# KiCad board keyboard-with-fingerprint-sensor.kicad_pcb
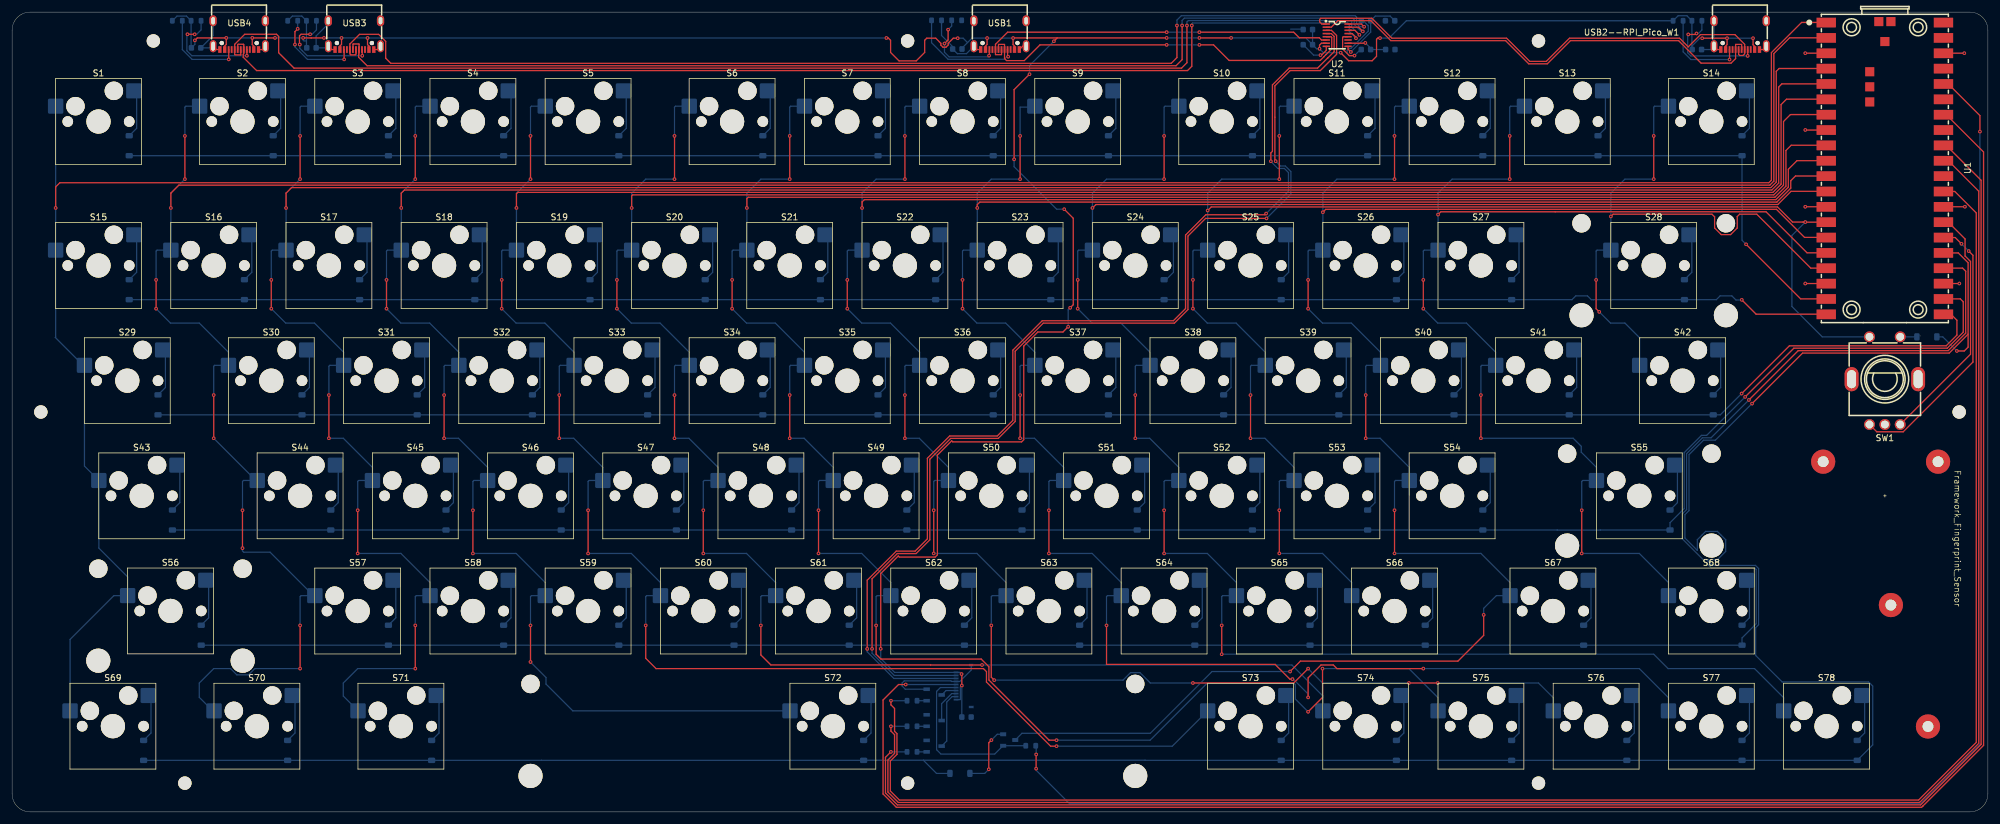
[diagram p0: board, top side]
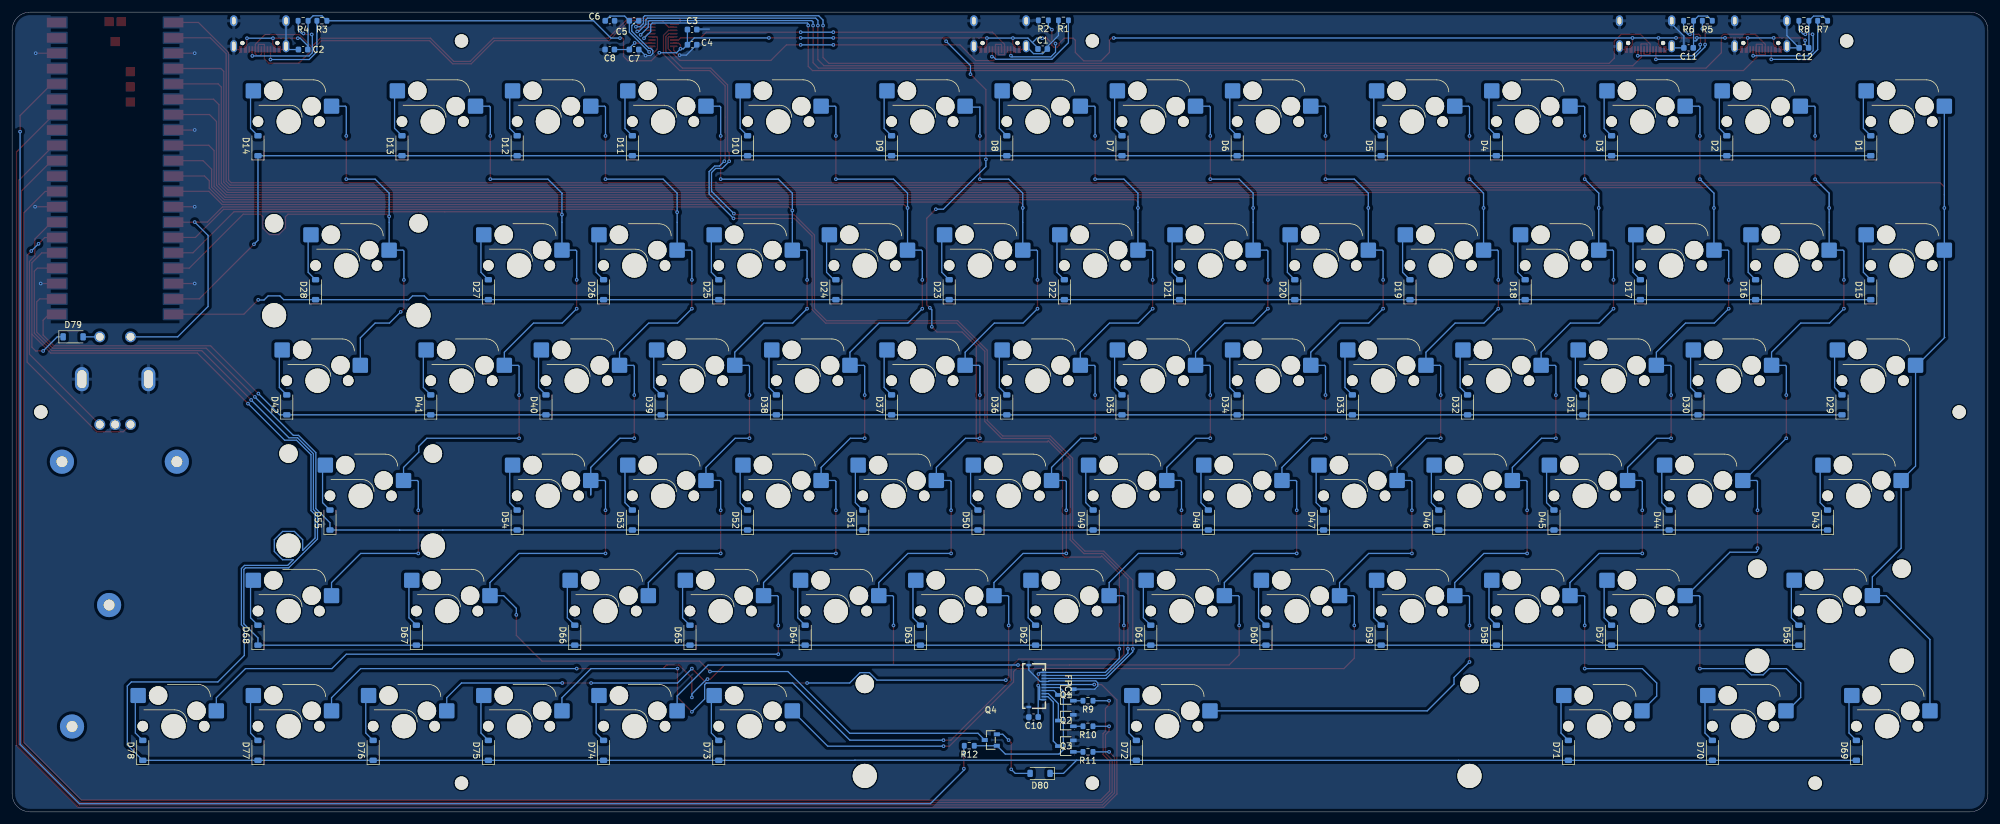
[diagram p1: board, bottom side, seen from below]

Outline 326.72 x 132.29 mm; copper layers: Top, Bottom. Coordinates in mm from the lower left corner of the outline.
Outline path: 0,129.29 arc(0.88,131.42) 3,132.29 323.72,132.29 arc(325.85,131.42) 326.72,129.29 326.72,3 arc(325.85,0.88) 323.72,0 3,0 arc(0.88,0.88) 0,3 0,129.29

## Placement (name value [footprint] x y rotation side)
C1  1uF  [C_0603_1608Metric]  156.31 126.19 180 bottom
C2  1uF  [C_0603_1608Metric]  278.6 126.1 0 bottom
C3  1uF  [C_0603_1608Metric]  214.28 129.41 180 bottom
C4  100nF  [C_0603_1608Metric]  214.28 126.9 180 bottom
C5  1uF  [C_0603_1608Metric]  223.88 130.86 180 bottom
C6  100nF  [C_0603_1608Metric]  227.87 130.86 180 bottom
C7  1uF  [C_0603_1608Metric]  223.88 126.1 180 bottom
C8  100nF  [C_0603_1608Metric]  227.9 126.1 0 bottom
C10  1uF  [C_0603_1608Metric]  157.82 15.69 0 bottom
C11  1uF  [C_0603_1608Metric]  49.5 126.38 0 bottom
C12  1uF  [C_0603_1608Metric]  30.42 126.38 0 bottom
D1  ~  [D_SOD-123]  19.37 110.19 90 bottom
D2  ~  [D_SOD-123]  43.18 110.19 90 bottom
D3  ~  [D_SOD-123]  62.23 110.19 90 bottom
D4  ~  [D_SOD-123]  81.28 110.19 90 bottom
D5  ~  [D_SOD-123]  100.33 110.19 90 bottom
D6  ~  [D_SOD-123]  124.14 110.19 90 bottom
D7  ~  [D_SOD-123]  143.19 110.19 90 bottom
D8  ~  [D_SOD-123]  162.24 110.19 90 bottom
D9  ~  [D_SOD-123]  181.29 110.19 90 bottom
D10  ~  [D_SOD-123]  205.1 110.19 90 bottom
D11  ~  [D_SOD-123]  224.16 110.19 90 bottom
D12  ~  [D_SOD-123]  243.21 110.19 90 bottom
D13  ~  [D_SOD-123]  262.25 110.19 90 bottom
D14  ~  [D_SOD-123]  286.07 110.19 90 bottom
D15  ~  [D_SOD-123]  19.37 86.38 90 bottom
D16  ~  [D_SOD-123]  38.42 86.38 90 bottom
D17  ~  [D_SOD-123]  57.47 86.38 90 bottom
D18  ~  [D_SOD-123]  76.52 86.38 90 bottom
D19  ~  [D_SOD-123]  95.57 86.38 90 bottom
D20  ~  [D_SOD-123]  114.62 86.38 90 bottom
D21  ~  [D_SOD-123]  133.67 86.38 90 bottom
D22  ~  [D_SOD-123]  152.72 86.38 90 bottom
D23  ~  [D_SOD-123]  171.77 86.38 90 bottom
D24  ~  [D_SOD-123]  190.5 86.38 90 bottom
D25  ~  [D_SOD-123]  209.87 86.38 90 bottom
D26  ~  [D_SOD-123]  228.92 86.38 90 bottom
D27  ~  [D_SOD-123]  247.97 86.38 90 bottom
D28  ~  [D_SOD-123]  276.54 86.38 90 bottom
D29  ~  [D_SOD-123]  24.13 67.33 90 bottom
D30  ~  [D_SOD-123]  47.94 67.33 90 bottom
D31  ~  [D_SOD-123]  66.99 67.33 90 bottom
D32  ~  [D_SOD-123]  86.04 67.33 90 bottom
D33  ~  [D_SOD-123]  105.09 67.33 90 bottom
D34  ~  [D_SOD-123]  124.14 67.33 90 bottom
D35  ~  [D_SOD-123]  143.19 67.33 90 bottom
D36  ~  [D_SOD-123]  162.24 67.33 90 bottom
D37  ~  [D_SOD-123]  181.29 67.33 90 bottom
D38  ~  [D_SOD-123]  200.34 67.33 90 bottom
D39  ~  [D_SOD-123]  219.39 67.33 90 bottom
D40  ~  [D_SOD-123]  238.44 67.33 90 bottom
D41  ~  [D_SOD-123]  257.49 67.33 90 bottom
D42  ~  [D_SOD-123]  281.3 67.33 90 bottom
D43  ~  [D_SOD-123]  26.51 48.28 90 bottom
D44  ~  [D_SOD-123]  52.7 48.28 90 bottom
D45  ~  [D_SOD-123]  71.75 48.28 90 bottom
D46  ~  [D_SOD-123]  90.81 48.28 90 bottom
D47  ~  [D_SOD-123]  109.86 48.28 90 bottom
D48  ~  [D_SOD-123]  128.91 48.28 90 bottom
D49  ~  [D_SOD-123]  147.96 48.28 90 bottom
D50  ~  [D_SOD-123]  167 48.28 90 bottom
D51  ~  [D_SOD-123]  186.06 48.28 90 bottom
D52  ~  [D_SOD-123]  205.1 48.28 90 bottom
D53  ~  [D_SOD-123]  224.16 48.28 90 bottom
D54  ~  [D_SOD-123]  243.21 48.28 90 bottom
D55  ~  [D_SOD-123]  274.16 48.28 90 bottom
D56  ~  [D_SOD-123]  31.27 29.23 90 bottom
D57  ~  [D_SOD-123]  62.23 29.23 90 bottom
D58  ~  [D_SOD-123]  81.28 29.23 90 bottom
D59  ~  [D_SOD-123]  100.33 29.23 90 bottom
D60  ~  [D_SOD-123]  119.38 29.23 90 bottom
D61  ~  [D_SOD-123]  138.43 29.23 90 bottom
D62  ~  [D_SOD-123]  157.48 29.23 90 bottom
D63  ~  [D_SOD-123]  176.53 29.23 90 bottom
D64  ~  [D_SOD-123]  195.58 29.23 90 bottom
D65  ~  [D_SOD-123]  214.63 29.23 90 bottom
D66  ~  [D_SOD-123]  233.68 29.23 90 bottom
D67  ~  [D_SOD-123]  259.87 29.23 90 bottom
D68  ~  [D_SOD-123]  286.07 29.23 90 bottom
D69  ~  [D_SOD-123]  21.75 10.18 90 bottom
D70  ~  [D_SOD-123]  45.56 10.18 90 bottom
D71  ~  [D_SOD-123]  69.37 10.18 90 bottom
D72  ~  [D_SOD-123]  140.81 10.18 90 bottom
D73  ~  [D_SOD-123]  209.87 10.18 90 bottom
D74  ~  [D_SOD-123]  228.92 10.18 90 bottom
D75  ~  [D_SOD-123]  247.97 10.18 90 bottom
D76  ~  [D_SOD-123]  267.02 10.18 90 bottom
D77  ~  [D_SOD-123]  286.07 10.18 90 bottom
D78  ~  [D_SOD-123]  305.12 10.18 90 bottom
D79  ~  [D_SOD-123]  316.63 78.58 180 bottom
D80  ~  [D_SOD-123]  156.74 6.37 0 bottom
FPC1  046809610110846+  [CONN-SMD_10P-P0.50_046809610110846]  157.36 20.82 270 bottom
Framework_Fingerprint_Sensor  Untitled  [Framework Fingerprint Sensor]  314.16 45.23 90 top
Q1  MMBT3904LT1G  [SOT-23-3_L2.9-W1.6-P1.90-LS2.8-BR]  152.48 19.34 180 bottom
Q2  MMBT3904LT1G  [SOT-23-3_L2.9-W1.6-P1.90-LS2.8-BR]  152.48 15.11 180 bottom
Q3  MMBT3904LT1G  [SOT-23-3_L2.9-W1.6-P1.90-LS2.8-BR]  152.48 10.88 180 bottom
Q4  MMBT3906LT1G  [SOT-23-3_L2.9-W1.3-P1.90-LS2.4-BR]  164.89 11.89 180 bottom
R1  5.1k  [R_0603_1608Metric]  152.87 130.93 0 bottom
R2  5.1k  [R_0603_1608Metric]  156.19 130.93 0 bottom
R3  5.1k  [R_0603_1608Metric]  275.49 130.86 0 bottom
R4  5.1k  [R_0603_1608Metric]  278.61 130.86 0 bottom
R5  5.1k  [R_0603_1608Metric]  46.4 130.86 0 bottom
R6  5.1k  [R_0603_1608Metric]  49.5 130.86 0 bottom
R7  5.1k  [R_0603_1608Metric]  27.32 130.86 0 bottom
R8  5.1k  [R_0603_1608Metric]  30.42 130.86 0 bottom
R9  1k  [R_0603_1608Metric]  148.82 18.39 0 bottom
R10  1k  [R_0603_1608Metric]  148.82 14.16 0 bottom
R11  1k  [R_0603_1608Metric]  148.82 9.93 0 bottom
R12  10k  [R_0603_1608Metric]  168.45 10.94 0 bottom
REF**  -  [MountingHole_2.2mm_M2]  148.09 4.76 0 top
REF**#2  -  [MountingHole_2.2mm_M2]  148.09 127.52 0 top
REF**#3  -  [MountingHole_2.2mm_M2]  252.41 127.52 0 top
REF**#4  -  [Stabilizer_Cherry_MX_2.00u]  271.46 90.38 0 top
REF**#5  -  [MountingHole_2.2mm_M2]  23.36 127.52 0 top
REF**#6  -  [MountingHole_2.2mm_M2]  321.97 66.15 0 top
REF**#7  -  [Stabilizer_Cherry_MX_2.00u]  269.08 52.28 0 top
REF**#8  -  [MountingHole_2.2mm_M2]  252.41 4.76 0 top
REF**#9  -  [MountingHole_2.2mm_M2]  28.57 4.76 0 top
REF**#10  -  [Stabilizer_Cherry_MX_2.00u]  26.19 33.24 0 top
REF**#11  -  [MountingHole_2.2mm_M2]  4.76 66.15 0 top
REF**#12  -  [Stabilizer_Cherry_MX_6.25u]  135.73 14.18 0 top
S1  ~  [SW_Hotswap_Kailh_MX_1.00u]  14.29 114.19 0 top
S2  ~  [SW_Hotswap_Kailh_MX_1.00u]  38.1 114.19 0 top
S3  ~  [SW_Hotswap_Kailh_MX_1.00u]  57.15 114.19 0 top
S4  ~  [SW_Hotswap_Kailh_MX_1.00u]  76.2 114.19 0 top
S5  ~  [SW_Hotswap_Kailh_MX_1.00u]  95.25 114.19 0 top
S6  ~  [SW_Hotswap_Kailh_MX_1.00u]  119.06 114.19 0 top
S7  ~  [SW_Hotswap_Kailh_MX_1.00u]  138.11 114.19 0 top
S8  ~  [SW_Hotswap_Kailh_MX_1.00u]  157.16 114.19 0 top
S9  ~  [SW_Hotswap_Kailh_MX_1.00u]  176.21 114.19 0 top
S10  ~  [SW_Hotswap_Kailh_MX_1.00u]  200.03 114.19 0 top
S11  ~  [SW_Hotswap_Kailh_MX_1.00u]  219.07 114.19 0 top
S12  ~  [SW_Hotswap_Kailh_MX_1.00u]  238.12 114.19 0 top
S13  ~  [SW_Hotswap_Kailh_MX_1.00u]  257.18 114.19 0 top
S14  ~  [SW_Hotswap_Kailh_MX_1.00u]  280.99 114.19 0 top
S15  ~  [SW_Hotswap_Kailh_MX_1.00u]  14.29 90.38 0 top
S16  ~  [SW_Hotswap_Kailh_MX_1.00u]  33.34 90.38 0 top
S17  ~  [SW_Hotswap_Kailh_MX_1.00u]  52.39 90.38 0 top
S18  ~  [SW_Hotswap_Kailh_MX_1.00u]  71.44 90.38 0 top
S19  ~  [SW_Hotswap_Kailh_MX_1.00u]  90.49 90.38 0 top
S20  ~  [SW_Hotswap_Kailh_MX_1.00u]  109.54 90.38 0 top
S21  ~  [SW_Hotswap_Kailh_MX_1.00u]  128.59 90.38 0 top
S22  ~  [SW_Hotswap_Kailh_MX_1.00u]  147.64 90.38 0 top
S23  ~  [SW_Hotswap_Kailh_MX_1.00u]  166.69 90.38 0 top
S24  ~  [SW_Hotswap_Kailh_MX_1.00u]  185.74 90.38 0 top
S25  ~  [SW_Hotswap_Kailh_MX_1.00u]  204.79 90.38 0 top
S26  ~  [SW_Hotswap_Kailh_MX_1.00u]  223.84 90.38 0 top
S27  ~  [SW_Hotswap_Kailh_MX_1.00u]  242.89 90.38 0 top
S28  ~  [SW_Hotswap_Kailh_MX_2.00u]  271.46 90.38 0 top
S29  ~  [SW_Hotswap_Kailh_MX_1.50u]  19.05 71.33 0 top
S30  ~  [SW_Hotswap_Kailh_MX_1.00u]  42.86 71.33 0 top
S31  ~  [SW_Hotswap_Kailh_MX_1.00u]  61.91 71.33 0 top
S32  ~  [SW_Hotswap_Kailh_MX_1.00u]  80.96 71.33 0 top
S33  ~  [SW_Hotswap_Kailh_MX_1.00u]  100.01 71.33 0 top
S34  ~  [SW_Hotswap_Kailh_MX_1.00u]  119.06 71.33 0 top
S35  ~  [SW_Hotswap_Kailh_MX_1.00u]  138.11 71.33 0 top
S36  ~  [SW_Hotswap_Kailh_MX_1.00u]  157.16 71.33 0 top
S37  ~  [SW_Hotswap_Kailh_MX_1.00u]  176.21 71.33 0 top
S38  ~  [SW_Hotswap_Kailh_MX_1.00u]  195.26 71.33 0 top
S39  ~  [SW_Hotswap_Kailh_MX_1.00u]  214.31 71.33 0 top
S40  ~  [SW_Hotswap_Kailh_MX_1.00u]  233.36 71.33 0 top
S41  ~  [SW_Hotswap_Kailh_MX_1.00u]  252.41 71.33 0 top
S42  ~  [SW_Hotswap_Kailh_MX_1.50u]  276.22 71.33 0 top
S43  ~  [SW_Hotswap_Kailh_MX_1.75u]  21.43 52.28 0 top
S44  ~  [SW_Hotswap_Kailh_MX_1.00u]  47.62 52.28 0 top
S45  ~  [SW_Hotswap_Kailh_MX_1.00u]  66.67 52.28 0 top
S46  ~  [SW_Hotswap_Kailh_MX_1.00u]  85.72 52.28 0 top
S47  ~  [SW_Hotswap_Kailh_MX_1.00u]  104.78 52.28 0 top
S48  ~  [SW_Hotswap_Kailh_MX_1.00u]  123.83 52.28 0 top
S49  ~  [SW_Hotswap_Kailh_MX_1.00u]  142.88 52.28 0 top
S50  ~  [SW_Hotswap_Kailh_MX_1.00u]  161.93 52.28 0 top
S51  ~  [SW_Hotswap_Kailh_MX_1.00u]  180.97 52.28 0 top
S52  ~  [SW_Hotswap_Kailh_MX_1.00u]  200.03 52.28 0 top
S53  ~  [SW_Hotswap_Kailh_MX_1.00u]  219.07 52.28 0 top
S54  ~  [SW_Hotswap_Kailh_MX_1.00u]  238.12 52.28 0 top
S55  ~  [SW_Hotswap_Kailh_MX_2.25u]  269.08 52.28 0 top
S56  ~  [SW_Hotswap_Kailh_MX_2.25u]  26.19 33.24 0 top
S57  ~  [SW_Hotswap_Kailh_MX_1.00u]  57.15 33.23 0 top
S58  ~  [SW_Hotswap_Kailh_MX_1.00u]  76.2 33.23 0 top
S59  ~  [SW_Hotswap_Kailh_MX_1.00u]  95.25 33.23 0 top
S60  ~  [SW_Hotswap_Kailh_MX_1.00u]  114.3 33.23 0 top
S61  ~  [SW_Hotswap_Kailh_MX_1.00u]  133.35 33.23 0 top
S62  ~  [SW_Hotswap_Kailh_MX_1.00u]  152.4 33.23 0 top
S63  ~  [SW_Hotswap_Kailh_MX_1.00u]  171.45 33.23 0 top
S64  ~  [SW_Hotswap_Kailh_MX_1.00u]  190.5 33.23 0 top
S65  ~  [SW_Hotswap_Kailh_MX_1.00u]  209.55 33.23 0 top
S66  ~  [SW_Hotswap_Kailh_MX_1.00u]  228.6 33.23 0 top
S67  ~  [SW_Hotswap_Kailh_MX_1.75u]  254.79 33.23 0 top
S68  ~  [SW_Hotswap_Kailh_MX_1.00u]  280.99 33.23 0 top
S69  ~  [SW_Hotswap_Kailh_MX_1.25u]  16.67 14.18 0 top
S70  ~  [SW_Hotswap_Kailh_MX_1.25u]  40.48 14.18 0 top
S71  ~  [SW_Hotswap_Kailh_MX_1.25u]  64.29 14.18 0 top
S72  ~  [SW_Hotswap_Kailh_MX_6.25u]  135.73 14.18 0 top
S73  ~  [SW_Hotswap_Kailh_MX_1.00u]  204.79 14.18 0 top
S74  ~  [SW_Hotswap_Kailh_MX_1.00u]  223.84 14.18 0 top
S75  ~  [SW_Hotswap_Kailh_MX_1.00u]  242.89 14.18 0 top
S76  ~  [SW_Hotswap_Kailh_MX_1.00u]  261.94 14.18 0 top
S77  ~  [SW_Hotswap_Kailh_MX_1.00u]  280.99 14.18 0 top
S78  ~  [SW_Hotswap_Kailh_MX_1.00u]  300.04 14.18 0 top
SW1  EC11E15244G1  [SW-TH_EC11E15244G1]  309.68 71.33 0 top
U1  RASPBERRY PI PICO 2W  [COMM-SMD_L51.0-W21.0-P2.54_PICOW]  309.68 106.51 270 top
U2  SL2.1S  [SSOP-16_L4.6-W2.6-P0.53-LS4.0-BL]  219.12 128.48 270 top
USB1  TYPE-C 16PIN 2MD  [USB-C-SMD_TYPE-C-6PIN-2MD-073]  163.36 128.48 180 top
USB2--RPI_Pico_W1  TYPE-C 16PIN 2MD  [USB-C-SMD_TYPE-C-6PIN-2MD-073]  285.75 128.48 180 top
USB3  TYPE-C 16PIN 2MD  [USB-C-SMD_TYPE-C-6PIN-2MD-073]  56.61 128.48 180 top
USB4  TYPE-C 16PIN 2MD  [USB-C-SMD_TYPE-C-6PIN-2MD-073]  37.56 128.48 180 top

## Library data of the parts
C1-C8 C10-C12 = -: Description: Unpolarized capacitor; KiLib_Generator: SMD_2terminal_chip_molded; ki_fp_filters: C_*
D1-D80 = -: ki_fp_filters: D*DO?35*
FPC1 = -: Datasheet: https://www.lcsc.com/datasheet/C5464531.pdf; LCSC Part: C5464531; Manufacturer: Kyocera AVX
Q1-Q3 = -: Datasheet: https://lcsc.com/product-detail/Transistors-NPN-PNP_ON_MMBT3904LT1G_MMBT3904LT1G_C81464.html; LCSC Part: C81464; Manufacturer: onsemi(安森美)
Q4 = -: Datasheet: https://lcsc.com/product-detail/Transistors-NPN-PNP_ON_MMBT3906LT1G_MMBT3906LT1G_C53444.html; LCSC Part: C53444; Manufacturer: onsemi(安森美)
R1-R12 = -: Description: Resistor; KiLib_Generator: SMD_2terminal_chip_molded; ki_fp_filters: R_*
REF** REF**#2 REF**#3 REF**#5 REF**#6 REF**#8 REF**#9 REF**#11 = -: KiLib_Generator: mounting_hardware/mounting_hole
SW1 = -: Datasheet: https://lcsc.com/product-detail/Others_ALPS-Electric-EC11E15244G1_C370970.html; LCSC Part: C370970; Manufacturer: ALPSALPINE(阿尔卑斯阿尔派)
U1 = -: Datasheet: https://www.lcsc.com/datasheet/C42394205.pdf; LCSC Part: C42394205; Manufacturer: Raspberry Pi(树莓派); MPN: Raspberry Pi Pico 2W
U2 = -: Datasheet: https://www.lcsc.com/datasheet/C2684433.pdf; LCSC Part: C2684433; Manufacturer: CoreChips(和芯润德); MPN: SL2.1s
USB1 USB2--RPI_Pico_W1 USB3 USB4 = -: Datasheet: https://www.lcsc.com/datasheet/C2765186.pdf; LCSC Part: C2765186; Manufacturer: SHOU HAN(首韩); MPN: TYPE-C 16PIN 2MD(073)

## Footprints (pads in the part's own frame, mm; a bottom-side part is the same pattern mirrored in y, then rotated)
C_0603_1608Metric
  rrect 0.9x0.95 smd: 1(-0.775,0) 2(0.775,0)
COMM-SMD_L51.0-W21.0-P2.54_PICOW
  rect 1.6x3.2 smd: 1(-24.05,-9.69) 2(-21.51,-9.69) 3(-18.97,-9.69) 4(-16.43,-9.69) 5(-13.89,-9.69) 6(-11.35,-9.69) 7(-8.81,-9.69) 8(-6.27,-9.69) 9(-3.73,-9.69) 10(-1.19,-9.69) 11(1.35,-9.69) 12(3.89,-9.69) 13(6.43,-9.69) 14(8.97,-9.69) 15(11.51,-9.69) 16(14.05,-9.69) 17(16.59,-9.69) 18(19.13,-9.69) 19(21.67,-9.69) 20(24.21,-9.69) 21(24.21,9.69) 22(21.67,9.69) 23(19.13,9.69) 24(16.59,9.69) 25(14.05,9.69) 26(11.51,9.69) 27(8.97,9.69) 28(6.43,9.69) 29(3.89,9.69) 30(1.35,9.69) 31(-1.19,9.69) 32(-3.73,9.69) 33(-6.27,9.69) 34(-8.81,9.69) 35(-11.35,9.69) 36(-13.89,9.69) 37(-16.43,9.69) 38(-18.97,9.69) 39(-21.51,9.69) 40(-24.05,9.69)
  rect 1.5x1.5 smd: TP1(-20.91,0) TP2(-24.21,1) TP3(-24.21,-1) TP4(-15.92,-2.5) TP5(-13.42,-2.5) TP6(-10.92,-2.5)
CONN-SMD_10P-P0.50_046809610110846
  rect 0.3x0.8 smd: 1(-2.25,1.25) 2(-1.75,1.25) 3(-1.25,1.25) 4(-0.75,1.25) 5(-0.25,1.25) 6(0.25,1.25) 7(0.75,1.25) 8(1.25,1.25) 9(1.75,1.25) 10(2.25,1.25)
  rect 0.4x0.8 smd: 11(-3.47,-1.25) 12(3.47,-1.25)
D_SOD-123
  rrect 0.9x1.2 smd: 1(-1.65,0) 2(1.65,0)
Framework Fingerprint Sensor
  round 4 hole 1.8 unplated: (-31.1,-2.65) (-11.01,3.48) (12.7,14.68) (12.7,-4.32)
MountingHole_2.2mm_M2
  round 2.2 hole 2.2 unplated: (0,0)
R_0603_1608Metric
  rrect 0.8x0.95 smd: 1(-0.825,0) 2(0.825,0)
SOT-23-3_L2.9-W1.3-P1.90-LS2.4-BR
  rect 1x0.65 smd: 1(1,-0.95) 2(1,0.95) 3(-1,0)
SOT-23-3_L2.9-W1.6-P1.90-LS2.8-BR
  rect 1.07x0.6 smd: 1(1.24,-0.95) 2(1.24,0.95) 3(-1.24,0)
SSOP-16_L4.6-W2.6-P0.53-LS4.0-BL
  rect 0.25x1.2 smd: 1(-1.85,-1.8) 2(-1.32,-1.8) 3(-0.8,-1.8) 4(-0.26,-1.8) 5(0.26,-1.8) 6(0.8,-1.8) 7(1.33,-1.8) 8(1.85,-1.8) 9(1.85,1.8) 10(1.33,1.8) 11(0.8,1.8) 12(0.26,1.8) 13(-0.26,1.8) 14(-0.8,1.8) 15(-1.32,1.8) 16(-1.85,1.8)
Stabilizer_Cherry_MX_2.00u
  round 3.048 hole 3.048 unplated: (-11.938,6.985) (11.938,6.985)
  round 3.988 hole 3.988 unplated: (-11.938,-8.225) (11.938,-8.225)
Stabilizer_Cherry_MX_6.25u
  round 3.048 hole 3.048 unplated: (-50,6.985) (50,6.985)
  round 3.988 hole 3.988 unplated: (-50,-8.225) (50,-8.225)
SW-TH_EC11E15244G1
  oval 2.3x4 hole 1.5x3: 6(5.5,0.25) 7(-5.5,0.25)
  round 1.8 hole 1.3: A(-2.54,-7.25) B(2.54,-7.25) C(0,-7.25) D(-2.54,7.25) E(2.54,7.25)
SW_Hotswap_Kailh_MX_1.00u
  round 1.75 hole 1.75 unplated: (-5.08,0) (5.08,0)
  round 3.05 hole 3.05 unplated: (-3.81,2.54) (2.54,5.08)
  round 4 hole 4 unplated: (0,0)
  rrect 2.55x2.5 smd far side: 1(-7.085,2.54) 2(5.842,5.08)
SW_Hotswap_Kailh_MX_1.25u
  round 1.75 hole 1.75 unplated: (-5.08,0) (5.08,0)
  round 3.05 hole 3.05 unplated: (-3.81,2.54) (2.54,5.08)
  round 4 hole 4 unplated: (0,0)
  rrect 2.55x2.5 smd far side: 1(-7.085,2.54) 2(5.842,5.08)
SW_Hotswap_Kailh_MX_1.50u
  round 1.75 hole 1.75 unplated: (-5.08,0) (5.08,0)
  round 3.05 hole 3.05 unplated: (-3.81,2.54) (2.54,5.08)
  round 4 hole 4 unplated: (0,0)
  rrect 2.55x2.5 smd far side: 1(-7.085,2.54) 2(5.842,5.08)
SW_Hotswap_Kailh_MX_1.75u
  round 1.75 hole 1.75 unplated: (-5.08,0) (5.08,0)
  round 3.05 hole 3.05 unplated: (-3.81,2.54) (2.54,5.08)
  round 4 hole 4 unplated: (0,0)
  rrect 2.55x2.5 smd far side: 1(-7.085,2.54) 2(5.842,5.08)
SW_Hotswap_Kailh_MX_2.00u
  round 1.75 hole 1.75 unplated: (-5.08,0) (5.08,0)
  round 3.05 hole 3.05 unplated: (-3.81,2.54) (2.54,5.08)
  round 4 hole 4 unplated: (0,0)
  rrect 2.55x2.5 smd far side: 1(-7.085,2.54) 2(5.842,5.08)
SW_Hotswap_Kailh_MX_2.25u
  round 1.75 hole 1.75 unplated: (-5.08,0) (5.08,0)
  round 3.05 hole 3.05 unplated: (-3.81,2.54) (2.54,5.08)
  round 4 hole 4 unplated: (0,0)
  rrect 2.55x2.5 smd far side: 1(-7.085,2.54) 2(5.842,5.08)
SW_Hotswap_Kailh_MX_6.25u
  round 1.75 hole 1.75 unplated: (-5.08,0) (5.08,0)
  round 3.05 hole 3.05 unplated: (-3.81,2.54) (2.54,5.08)
  round 4 hole 4 unplated: (0,0)
  rrect 2.55x2.5 smd far side: 1(-7.085,2.54) 2(5.842,5.08)
USB-C-SMD_TYPE-C-6PIN-2MD-073
  round 0.7 hole 0.7: (-2.89,1.3) (2.89,1.3)
  rect 0.55x1.1 smd: 1(-3.2,2.38) 2(-2.4,2.38) 11(2.4,2.38) 12(3.2,2.38)
  rect 0.3x1.1 smd: 3(-1.75,2.38) 4(-1.25,2.38) 5(-0.75,2.38) 6(-0.25,2.38) 7(0.25,2.38) 8(0.75,2.38) 9(1.25,2.38) 10(1.75,2.38)
  oval 1.1x2 hole 0.6x1.5: 13(-4.32,1.83) 14(4.32,1.83)
  oval 1.2x1.8 hole 0.6x1.2: 13(-4.32,-2.38) 14(4.32,-2.38)

## Nets
+3.3V: R12.2 U1.36
+5V: C1.1 C2.1 C3.1 C4.1 C10.1 C11.1 C12.1 FPC1.1 FPC1.10 R3.1 R4.1 R5.1 R6.1 R7.1 R8.1 U2.7 USB1.2 USB1.11 USB2--RPI_Pico_W1.2 USB2--RPI_Pico_W1.11 USB3.2 USB3.11 USB4.2 USB4.11
GND: C1.2 C2.2 C3.2 C4.2 C5.2 C6.2 C7.2 C8.2 C10.2 C11.2 C12.2 FPC1.4 FPC1.11 FPC1.12 Q1.2 Q2.2 Q3.2 R1.2 R2.2 SW1.6 SW1.7 SW1.C U1.3 U1.8 U1.13 U1.18 U1.23 U1.28 U1.38 U2.8 U2.12 USB1.1 USB1.12 USB1.13 USB1.14 USB2--RPI_Pico_W1.1 USB2--RPI_Pico_W1.12 USB2--RPI_Pico_W1.13 USB2--RPI_Pico_W1.14 USB3.1 USB3.12 USB3.13 USB3.14 USB4.1 USB4.12 USB4.13 USB4.14
/DN: U2.5 USB1.5 USB1.7
/DN1: FPC1.2 U2.3
/DN2: U2.1 USB2--RPI_Pico_W1.5 USB2--RPI_Pico_W1.7
/DN3: U2.15 USB3.5 USB3.7
/DN4: U2.13 USB4.5 USB4.7
/DP: U2.6 USB1.6 USB1.8
/DP1: FPC1.3 U2.4
/DP2: U2.2 USB2--RPI_Pico_W1.6 USB2--RPI_Pico_W1.8
/DP3: U2.16 USB3.6 USB3.8
/DP4: U2.14 USB4.6 USB4.8
Column 1: S1.1 S15.1 S29.1 S43.1 S56.1 S69.1 U1.1
Column 2: S2.1 S16.1 S30.1 S44.1 S57.1 S70.1 U1.2
Column 3: S3.1 S17.1 S31.1 S45.1 S58.1 S71.1 U1.4
Column 4: S4.1 S18.1 S32.1 S46.1 S59.1 S72.1 U1.5
Column 5: S5.1 S19.1 S33.1 S47.1 S60.1 S73.1 U1.6
Column 6: S6.1 S20.1 S34.1 S48.1 S61.1 S74.1 U1.7
Column 7: S7.1 S21.1 S35.1 S49.1 S62.1 S75.1 U1.9
Column 8: S8.1 S22.1 S36.1 S50.1 S63.1 S76.1 U1.10
Column 9: S9.1 S23.1 S37.1 S51.1 S64.1 S77.1 U1.11
Column 10: S10.1 S24.1 S38.1 S52.1 S65.1 S78.1 U1.12
Column 11: S11.1 S25.1 S39.1 S53.1 S66.1 SW1.D U1.14
Column 12: Q4.3 S12.1 S26.1 S40.1 S54.1 S67.1 U1.15
Column 13: S13.1 S27.1 S41.1 S55.1 S68.1 U1.16
Column 14: S14.1 S28.1 S42.1 U1.17
Fprint LED Green MCU: R10.1 U1.31
Fprint LED Red MCU: R11.1 U1.32
Fprint LED White MCU: R9.1 U1.29
Fprint Switch: FPC1.6 Q4.1 R12.1
Fprint Switch Row: D80.2 Q4.2
Fprint Touch: FPC1.5 U1.34
K_O: D79.2 SW1.E
Knob_A: SW1.A U1.26
Knob_B: SW1.B U1.27
LED Green: FPC1.8 Q2.3
LED Red: FPC1.9 Q3.3
LED White: FPC1.7 Q1.3
Row 1: D1.1 D2.1 D3.1 D4.1 D5.1 D6.1 D7.1 D8.1 D9.1 D10.1 D11.1 D12.1 D13.1 D14.1 U1.19
Row 2: D15.1 D16.1 D17.1 D18.1 D19.1 D20.1 D21.1 D22.1 D23.1 D24.1 D25.1 D26.1 D27.1 D28.1 U1.20
Row 3: D29.1 D30.1 D31.1 D32.1 D33.1 D34.1 D35.1 D36.1 D37.1 D38.1 D39.1 D40.1 D41.1 D42.1 U1.21
Row 4: D43.1 D44.1 D45.1 D46.1 D47.1 D48.1 D49.1 D50.1 D51.1 D52.1 D53.1 D54.1 D55.1 U1.22
Row 5: D56.1 D57.1 D58.1 D59.1 D60.1 D61.1 D62.1 D63.1 D64.1 D65.1 D66.1 D67.1 D68.1 U1.24
Row 6: D69.1 D70.1 D71.1 D72.1 D73.1 D74.1 D75.1 D76.1 D77.1 D78.1 D79.1 D80.1 U1.25
Net-(D1-A): D1.2 S1.2
Net-(D2-A): D2.2 S2.2
Net-(D3-A): D3.2 S3.2
Net-(D4-A): D4.2 S4.2
Net-(D5-A): D5.2 S5.2
Net-(D6-A): D6.2 S6.2
Net-(D7-A): D7.2 S7.2
Net-(D8-A): D8.2 S8.2
Net-(D9-A): D9.2 S9.2
Net-(D10-A): D10.2 S10.2
Net-(D11-A): D11.2 S11.2
Net-(D12-A): D12.2 S12.2
Net-(D13-A): D13.2 S13.2
Net-(D14-A): D14.2 S14.2
Net-(D15-A): D15.2 S15.2
Net-(D16-A): D16.2 S16.2
Net-(D17-A): D17.2 S17.2
Net-(D18-A): D18.2 S18.2
Net-(D19-A): D19.2 S19.2
Net-(D20-A): D20.2 S20.2
Net-(D21-A): D21.2 S21.2
Net-(D22-A): D22.2 S22.2
Net-(D23-A): D23.2 S23.2
Net-(D24-A): D24.2 S24.2
Net-(D25-A): D25.2 S25.2
Net-(D26-A): D26.2 S26.2
Net-(D27-A): D27.2 S27.2
Net-(D28-A): D28.2 S28.2
Net-(D29-A): D29.2 S29.2
Net-(D30-A): D30.2 S30.2
Net-(D31-A): D31.2 S31.2
Net-(D32-A): D32.2 S32.2
Net-(D33-A): D33.2 S33.2
Net-(D34-A): D34.2 S34.2
Net-(D35-A): D35.2 S35.2
Net-(D36-A): D36.2 S36.2
Net-(D37-A): D37.2 S37.2
Net-(D38-A): D38.2 S38.2
Net-(D39-A): D39.2 S39.2
Net-(D40-A): D40.2 S40.2
Net-(D41-A): D41.2 S41.2
Net-(D42-A): D42.2 S42.2
Net-(D43-A): D43.2 S43.2
Net-(D44-A): D44.2 S44.2
Net-(D45-A): D45.2 S45.2
Net-(D46-A): D46.2 S46.2
Net-(D47-A): D47.2 S47.2
Net-(D48-A): D48.2 S48.2
Net-(D49-A): D49.2 S49.2
Net-(D50-A): D50.2 S50.2
Net-(D51-A): D51.2 S51.2
Net-(D52-A): D52.2 S52.2
Net-(D53-A): D53.2 S53.2
Net-(D54-A): D54.2 S54.2
Net-(D55-A): D55.2 S55.2
Net-(D56-A): D56.2 S56.2
Net-(D57-A): D57.2 S57.2
Net-(D58-A): D58.2 S58.2
Net-(D59-A): D59.2 S59.2
Net-(D60-A): D60.2 S60.2
Net-(D61-A): D61.2 S61.2
Net-(D62-A): D62.2 S62.2
Net-(D63-A): D63.2 S63.2
Net-(D64-A): D64.2 S64.2
Net-(D65-A): D65.2 S65.2
Net-(D66-A): D66.2 S66.2
Net-(D67-A): D67.2 S67.2
Net-(D68-A): D68.2 S68.2
Net-(D69-A): D69.2 S69.2
Net-(D70-A): D70.2 S70.2
Net-(D71-A): D71.2 S71.2
Net-(D72-A): D72.2 S72.2
Net-(D73-A): D73.2 S73.2
Net-(D74-A): D74.2 S74.2
Net-(D75-A): D75.2 S75.2
Net-(D76-A): D76.2 S76.2
Net-(D77-A): D77.2 S77.2
Net-(D78-A): D78.2 S78.2
Net-(Q1-Pad1): Q1.1 R9.2
Net-(Q2-Pad1): Q2.1 R10.2
Net-(Q3-Pad1): Q3.1 R11.2
Net-(U2-VDD18): C7.1 C8.1 U2.10
Net-(U2-VDD33): C5.1 C6.1 U2.9
Net-(USB1-CC1): R1.1 USB1.4
Net-(USB1-CC2): R2.1 USB1.10
Net-(USB2--RPI_Pico_W1-CC1): R4.2 USB2--RPI_Pico_W1.4
Net-(USB2--RPI_Pico_W1-CC2): R3.2 USB2--RPI_Pico_W1.10
Net-(USB3-CC1): R6.2 USB3.4
Net-(USB3-CC2): R5.2 USB3.10
Net-(USB4-CC1): R8.2 USB4.4
Net-(USB4-CC2): R7.2 USB4.10

Pads without a net: U1 30 33 35 37 39 40 TP1 TP2 TP3 TP4 TP5 TP6; U2 11; USB1 3 9; USB2--RPI_Pico_W1 3 9; USB3 3 9; USB4 3 9